# KiCad board FrontEnd_5G.kicad_pcb (continued)
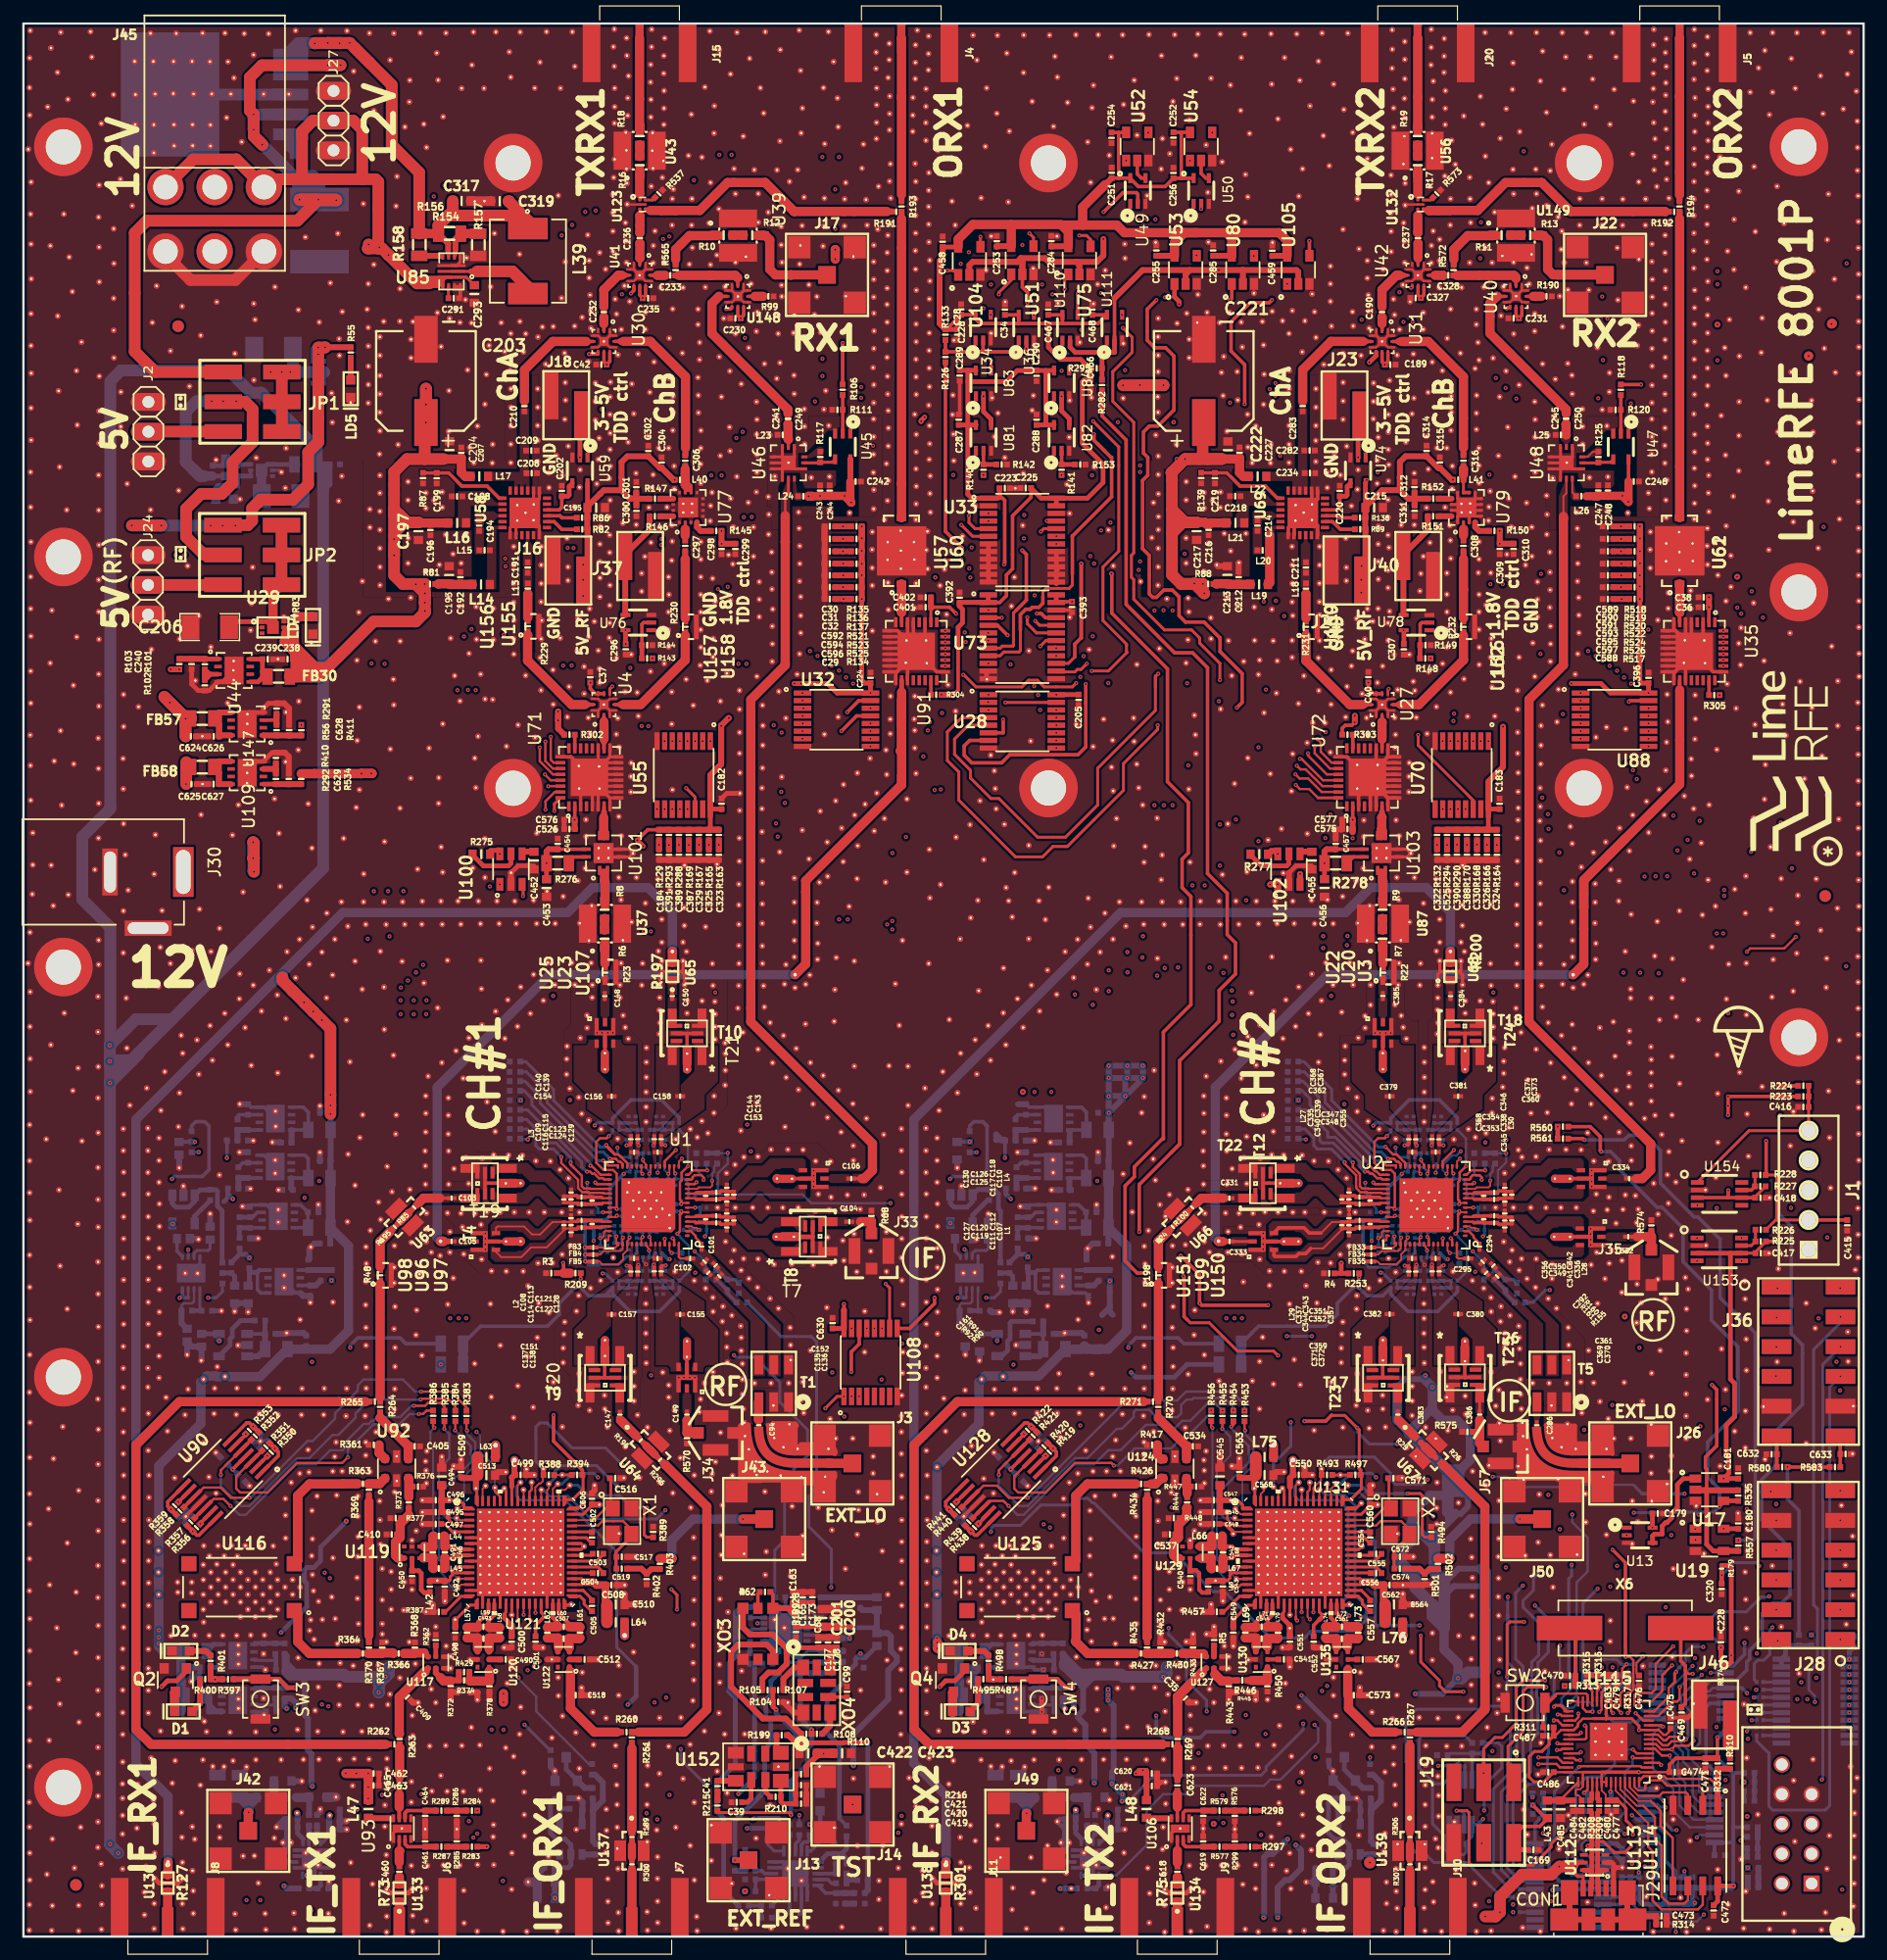
[diagram p0: board, top side]
## Routing (per net, layer and track width the routed paths; a pad name or vN(x,y) marks a point on that pad's centre or on a via; arc(x,y) is an arc through that point) (continued)
+5V_USB: length 42.6
  F.RO w1: JP1.3 18.94,130.98 19.57,130.34 19.57,127.52 17.86,125.81 17.86,124.04 16.94,123.12 15.17,123.12 13.89,121.84 13.89,119.45 15.44,117.91 JP2.3 ; JP1.3 17.07,131.02 v2(17.06,131.02) ; JP1.3 16.13,130.98 v2(16.08,131.02) ; JP1.3 18.13,130.98 v2(18.17,131.02)
  B2.RO w0.3: U15.5 U15.4
  B2.RO w0.4: R51.1 18.28,123.85 C87.1 ; C90.1 C88.1 C87.1 ; C87.1 U15.4
  B2.RO w0.5: 14.69,125.02 15.08,124.64 C90.1
  B2.RO w0.79: 14.69,125.02 14.53,125.18 15.08,124.64 C90.1
  B2.RO w1: 14.76,124.95 13.86,125.85 13.86,130.11 14.77,131.02 v2(16.08,131.02) v2(17.06,131.02) v2(18.17,131.02) ; 14.76,124.95 15.08,124.64 15.44,124.64 ; 14.76,124.95 14.53,125.18
+12V: length 260.1
  F.RO w0.25: C293.2 37.83,141.61 U85.1 33.64,141.61 33.39,141.36 ; 33.39,141.36 33.36,141.33 ; 33.39,141.36 35.25,141.36 U85.8
  F.RO w0.3: U85.1 36.05,141.61 35.81,141.37 U85.8
  F.RO w0.5: 35.66,141.41 35.33,141.08 33.61,141.08 ; 35.25,141.36 35.61,141.36 34.51,141.36
  F.RO w0.79: 34.12,141.08 35.33,141.08
  F.RO w1: 31.18,143.52 30.63,144.07 30.31,144.07 ; 31.18,143.52 v1(31.18,143.49) ; 31.18,143.52 33.61,141.08 34.67,141.08 ; 30.31,144.07 30.31,144.16 v1(30.4,144.16) ; 30.31,144.07 29.48,144.07 ; 30.31,144.07 30.31,149.74 30.08,149.98 28.93,149.98 ; 29.48,144.07 v1(29.48,144.41) ; 29.48,144.07 29.4,144.07 29.48,144.07 ; v1(31.18,143.49) 31.19,143.5 v1(31.18,143.49) ; 28.93,149.98 28.93,154.21 28.17,154.98 J27.2 24.72,154.98 23.79,154.05 23.79,149.98 ; 28.93,149.98 26.48,149.98 ; 18.17,151.67 14.5,151.67 J45.1 ; 18.17,151.67 J45.3 21.2,149.98 23.79,149.98 ; 18.17,151.67 19.86,149.98 26.48,149.98 ; 23.79,149.98 26.48,149.98 ; 19.62,93.39 v2(19.62,93.39) 19.68,93.33 19.68,92.03 ; 19.68,92.03 v2(19.62,92.03) ; 19.68,92.03 v2(19.62,92.03) ; 19.68,92.03 v2(19.62,92.03) ; 19.68,92.03 v2(19.68,90.87)
  F.FR4 w1: J30.1 17.08,90.85 17.78,91.55 ; J30.1 13.64,92.44 14.01,92.11 ; J30.1 17.32,90.85 ; J30.1 14.02,91.22 14.01,92.11 ; J30.1 15.31,92.51 16.3,92.51 ; J30.1 13.67,90.84 13.69,89.26 ; J30.1 15.19,89.31 ; 16.3,92.51 17.29,92.51 ; 16.3,92.51 15.34,92.51 ; v2(19.62,93.39) 18.74,92.51 17.29,92.51 ; v2(19.62,93.39) 19.62,92.1 ; v2(19.62,93.39) 17.78,91.55 ; 17.78,91.55 19.14,91.55 v2(19.62,92.03) ; 15.19,89.31 17.24,89.31 ; 15.19,89.31 15.19,92.37 15.34,92.51 ; 17.24,89.31 18.8,90.87 19.7,90.87 ; 17.24,89.31 17.36,89.31 ; 19.7,90.87 v2(19.68,90.87) ; 19.7,90.87 19.62,90.95 19.62,92.1 ; 17.29,92.51 17.29,90.85 17.32,90.82 ; 14.01,92.11 14.77,92.51 15.34,92.51 ; 14.01,92.11 13.53,92.11 13.66,91.98 13.69,89.26 ; 13.69,89.26 13.7,89.25 13.74,89.25 ; 13.69,89.26 14.45,89.31 17.36,89.31 ; 17.36,89.31 17.32,89.35 17.32,90.82 ; 19.62,92.1 18.37,90.85 17.32,90.85 ; 17.32,90.85 17.32,90.82
  B.FR4 w0.79: v1(31.18,143.49) 31.18,141.14 29.74,139.7 29.05,139.7 28.08,138.73 28.08,134.07 27.18,133.17 27.18,129.66 27.9,128.94 27.9,126.21
  B.FR4 w1: 23.91,130.92 23.91,130.2 28.56,125.55 28.56,122.65 27.11,121.2 27.11,97.99 19.97,90.85 19.65,90.85 19.65,93.43 v2(19.62,93.39) 25.14,98.91 25.14,105.34 23.26,107.22 23.26,110.82 24.84,112.4 24.84,125.92 23.91,126.85 23.91,130.92 ; 23.91,130.92 23.91,137.95 25.32,139.36 ; 25.32,139.36 25.36,139.36 ; 25.32,139.36 26.36,139.36 28.24,141.24 28.24,143.17 v1(29.48,144.41) 29.23,144.16 v1(30.4,144.16) 30.51,144.16 v1(31.18,143.49)
  B2.RO w1: v2(19.62,92.03) v2(19.62,93.39) 19.62,90.93 v2(19.68,90.87)
/Clocks/VDD_CKBUF_#1: length 5.8
  B2.RO w0.25: C174.2 67.66,28.05 66.97,28.74 65.77,28.74 65.56,28.53 U21.9
  B2.RO w0.5: C174.2 C175.1 C176.1 R116.1
/Clocks/VDDO_CKBUF_#1: length 12.7
  F.RO w0.3: v2(70.54,25.46) 70.52,25.48 70.5,25.48
  F.FR4 w0.3: v2(62.67,26.73) 63.67,25.73 65.84,25.73 66.11,25.46 v2(70.54,25.46)
  B2.RO w0.25: C166.2 67.82,25.73 U21.14
  B2.RO w0.3: U21.4 v2(62.67,26.73)
  B2.RO w0.5: v2(70.54,25.46) 70.53,25.47 C164.1 C168.1 C166.2
/LMS8001_RF/VDDTX_#1: length 62
  B.FR4 w0.2: 50.92,58.11 50.92,57.21 51.26,56.87 51.26,56.25
  B.FR4 w0.25: 52.04,68.59 52.04,66.78 ; 51.26,56.25 50.32,55.31 ; 51.17,58.37 50.92,58.11
  B.FR4 w0.3: 52.04,68.59 51.18,69.45 FB27.1 49,69.45 v2(48.78,69.23) ; 52.04,66.78 49.99,64.73 49.99,63.52 51.32,62.19 51.32,60.96 52.34,59.94 52.34,59.53 50.93,58.12 50.93,57.75 ; v2(47.16,55.42) 47.56,55.42 48.42,54.56 49.57,54.56 50.32,55.31
  B2.RO w0.3: FB26.1 56,69.89 54.48,71.4 51.88,71.4 50.31,69.84 FB27.1 49,69.45 v2(48.78,69.23) ; 51.29,53.85 50.31,54.83 FB28.1 49.64,54.68 49.01,54.68 ; 51.29,53.85 51.79,53.35 54.32,53.35 56,55.03 FB25.1 ; 51.29,53.85 50.46,54.68 49.01,54.68 ; 49.01,54.68 48.29,54.68 47.55,55.42 47.12,55.42 45.75,54.05 45.75,53.1 44.74,52.09 39.03,52.09 R93.1
  B2.RO w0.79: R98.1 R93.1
/LMS8001_RF/VDDTX_#2: length 58.3
  B.FR4 w0.2: 117.7,56.25 117.7,56.87 117.36,57.21
  B.FR4 w0.25: 117.7,56.25 116.81,55.36 116.8,55.36 ; 117.36,57.21 117.36,57.81 ; 118.48,66.78 118.48,68.59
  B.FR4 w0.3: 116.8,55.36 116.12,54.68 114.74,54.68 v2(114.05,55.37) ; 118.48,66.78 116.43,64.73 116.43,63.52 117.76,62.19 117.76,60.96 118.78,59.94 118.78,59.53 117.37,58.12 117.37,57.77 117.36,57.76 ; 118.48,68.59 117.62,69.45 115.51,69.45 v2(115.27,69.21)
  B2.RO w0.3: v2(115.27,69.21) 115.51,69.45 FB50.1 116.76,69.84 118.32,71.4 120.92,71.4 122.43,69.89 122.43,69.44 ; 120.02,53.35 118.23,53.35 116.76,54.83 FB51.1 116.08,54.68 114.74,54.68 v2(114.05,55.37) 114,55.42 113.56,55.42 112.19,54.05 112.19,53.1 111.18,52.09 105.47,52.09 104.92,51.54 ; 120.02,53.35 119.99,53.35 ; 120.02,53.35 120.76,53.35 122.45,55.03 FB48.1 ; 104.92,51.54 104.79,51.41 ; 104.92,51.54 104.92,51.54 R532.1
  B2.RO w0.79: R532.1 R533.1
/RP2040_MCU/VDD_CON_J1: length 21.9
  F.RO w0.25: R226.1 149.63,61.16 149.71,61.16 ; 149.71,61.16 149.71,64.97 149.74,65 R228.1 ; 149.71,61.16 J1.2
  F.RO w0.3: J1.2 155.72,61.16 C415.1 ; 148.81,67.91 v1(148.81,67.89) 148.81,65.05 R228.1 ; v1(149.8,72.61) R224.2
  B.FR4 w0.3: v1(149.8,72.61) 148.81,71.62 v1(148.81,67.89)
/RP2040_MCU/VDD_CON_J28: length 60.3
  F.RO w0.4: R174.2 145.63,23.24 145.83,23.44 v2(145.83,24) 145.83,31.56 145.72,31.68 R179.1 ; v2(147.18,10.25) 147.19,10.25
  F.FR4 w0.25: v2(128.86,11.89) 125.86,11.89 v2(124.73,10.76)
  F.FR4 w0.4: v2(147.18,10.25) 146.97,10.25 146.47,9.75 143.01,9.75 141.46,8.21 139.39,8.21 138.31,9.28 137,9.28 136.55,9.74 130.25,9.74 129.81,10.18 129.81,11.48 129.4,11.89 v2(128.86,11.89)
  B.FR4 w0.4: v2(145.83,24) 146.11,24 146.49,23.62 146.49,21.87 145.68,21.06 145.68,18.95 146.49,18.14 146.49,16.23 147.01,16.23 147.97,15.27 147.97,11.23 147.19,10.45 147.19,10.25 v2(147.18,10.25)
  B2.RO w0.25: v2(124.73,10.76) 124.73,12.89 126.24,14.4 126.24,16.22 125.94,16.52 R218.1
  B2.RO w0.4: R206.1 128.86,12.2 v2(128.86,11.89)
/RP2040_MCU/VDD_CON_J36: length 18.3
  F.RO w0.3: v2(150.63,40.07) R583.1
  B2.RO w0.3: v2(150.63,40.07) 150.63,37.33 151.61,36.35 151.61,25.76
GND: length 846.3
  F.RO w0.2: 117.99,147.75 117.98,147.75 118.05,147.82 U132.2 U132.5 ; 127.45,140 126.95,140.5 U40.3 ; 127.45,140 127.95,140.49 U40.1 ; 127.45,140 126.97,140.48 U40.4 ; 127.45,140 127.94,140.48 U40.12 ; 127.45,140 126.94,139.48 U40.6 ; 127.45,140 127.97,139.48 U40.10 ; 116.02,136.13 115.52,136.62 U31.4 ; 116.02,136.13 115.52,136.63 U31.3 ; 116.02,136.13 116.52,136.63 U31.1 ; 116.02,136.13 116.51,136.62 U31.12 ; 116.02,136.13 115.51,135.62 U31.6 ; 116.02,136.13 116.52,135.62 U31.10 ; 115.52,104.64 U27.13 ; 115.52,104.64 U27.13 ; 115.52,104.64 U27.12 ; 115.52,104.64 U27.1 ; U27.13 116.52,104.64 ; U27.13 116.52,104.64 ; U27.13 116.52,105.64 U27.6 ; U27.13 115.52,105.64 U27.10 ; 116.52,104.64 U27.4 ; 116.52,104.64 U27.3 ; 119.08,141.78 118.58,141.28 U42.6 ; 119.08,141.78 119.58,141.28 U42.10 ; 119.08,141.78 119.58,142.28 U42.12 ; 119.08,141.78 119.58,142.29 U42.1 ; 119.08,141.78 118.58,142.28 U42.4 ; 52.61,141.78 U41.13 52.13,141.28 U41.6 ; 52.61,141.78 52.11,142.28 U41.4 ; 52.61,141.78 52.13,142.26 U41.3 ; 52.61,141.78 53.13,142.29 U41.1 ; 52.61,141.78 53.12,142.28 U41.12 ; 52.61,141.78 53.11,141.28 U41.10 ; 61.01,139.97 60.52,139.48 U39.6 ; 61.01,139.97 60.5,140.48 ; 61.01,139.97 60.5,140.48 ; 61.01,139.97 61.5,140.46 U39.1 ; 61.01,139.97 61.52,140.48 U39.12 ; 61.01,139.97 61.5,139.48 U39.10 ; 60.5,140.48 U39.4 ; 60.5,140.48 U39.3 ; 50.52,136.63 50.08,136.63 49.58,136.15 50.08,136.65 50.08,137.06 ; 119.81,62.26 119.81,64.41 119.96,64.56 ; 49.56,136.13 50.07,135.63 U30.10 ; 49.56,136.13 49.07,136.63 U30.4 ; 49.56,136.13 49.06,135.63 U30.6 ; 51.56,147.84 51.58,147.82 U123.2 U123.5 ; U4.13 50.07,105.64 U4.6 ; U4.13 50.07,104.64 ; U4.13 50.07,104.64 ; U4.13 49.07,104.64 ; U4.13 49.07,104.64 ; U4.13 49.07,105.64 U4.10 ; 50.07,104.64 U4.3 ; 50.07,104.64 U4.4 ; 49.07,104.64 U4.1 ; 49.07,104.64 U4.12 ; C475.2 140.64,18.68 C469.2 ; C340.2 C343.1
  F.RO w0.25: 39.02,33.93 38.91,34.04 U121.6 ; 39.79,33.93 39.4,33.54 U121.7 ; 39.8,32.41 39.43,32.04 U121.10 ; 40.56,29.36 40.71,29.21 U121.21 ; 44.35,30.12 44.71,29.76 U121.29 ; 105.47,33.93 105.36,34.04 U131.6 ; 106.24,33.93 105.85,33.54 U131.7 ; 106.24,31.65 105.85,32.04 U131.10 ; 106.23,30.12 105.65,29.54 U131.15 ; 105.47,29.36 105.65,29.18 U131.18 ; 107,29.36 107.15,29.21 U131.21 ; 110.79,30.12 111.15,29.76 U131.29 ; 131.79,125.78 131.25,126.31 131.25,127.12 ; 131.79,125.78 132.27,126.28 132.27,127.12 ; 131.79,125.78 131.3,126.28 130.41,126.28 ; 131.79,125.78 131.76,125.77 130.41,125.77 ; 131.79,125.78 131.25,125.25 ; 131.79,125.78 132.31,125.25 133.12,125.25 ; 131.79,125.78 131.25,125.25 ; 131.25,125.25 130.41,125.25 ; 131.25,125.25 131.25,124.41 ; 123.96,122.72 U79.17 ; 123.96,122.72 U79.17 ; 123.96,122.72 U79.8 ; 123.96,122.72 U79.9 ; U79.17 122.46,122.72 U79.12 ; 122.8,122.28 122.73,122.22 121.95,122.22 ; 123.55,121.55 123.73,121.72 U79.6 ; 123.55,121.55 123.89,121.22 U79.5 ; 123.55,121.55 123.46,121.46 123.46,120.7 ; 123.54,122.3 123.61,122.22 U79.7 ; 65.33,125.78 64.84,126.28 63.97,126.28 ; 65.33,125.78 U46.13 ; 65.33,125.78 U46.13 ; 65.33,125.78 65.86,125.26 U46.10 ; 65.33,125.78 64.81,125.26 ; 65.33,125.78 64.81,126.31 U46.3 ; 65.33,125.78 65.83,126.28 U46.1 ; U46.13 64.81,125.26 ; U46.13 63.97,125.77 ; 64.81,125.26 63.97,125.26 ; 64.81,125.26 U46.7 ; 51.03,92.14 51.72,92.14 52.05,92.46 51.7,92.8 51.03,92.8 ; 43.56,120.88 44.06,120.38 U58.6 ; C327.1 118.41,139.82 118.41,139.52 ; 32.31,9.23 31.98,9.23 31.59,8.84 U93.1 ; U71.33 47.58,98.18 U71.3 ; U71.33 48.58,98.68 ; U71.33 49.08,98.18 ; U71.33 50.08,97.18 ; U71.33 50.08,97.18 ; U71.33 49.58,97.68 U71.10 ; U71.33 49.08,98.18 ; U71.33 48.58,98.68 ; U71.33 48.58,99.18 U71.13 ; U71.33 49.08,99.68 ; U71.33 49.58,100.18 U71.15 ; U71.33 50.08,100.68 ; U71.33 49.08,99.68 ; U71.33 50.08,100.68 ; 48.58,98.68 U71.5 ; 48.58,98.68 U71.12 ; 49.08,98.18 U71.11 ; 49.08,98.18 U71.6 ; 50.08,97.18 U71.9 ; 50.08,97.18 U71.8 ; 49.08,99.68 U71.14 ; 49.08,99.68 U71.19 ; 50.08,100.68 U71.17 ; 50.08,100.68 U71.16 ; 56.18,82.37 56.32,82.51 56.32,83.26 ; 56.18,82.37 56.45,82.1 56.45,81.22 ; 56.18,82.37 U65.2 U65.4 54.6,82.37 ; 54.6,82.37 54.51,82.46 54.51,83.27 ; 54.6,82.37 54.35,82.12 54.35,81.18 ; 122.61,82.37 122.61,82.36 122.88,82.09 122.88,81.46 ; 122.61,82.37 122.75,82.51 122.75,83.25 ; 122.61,82.37 122.89,82.09 122.89,81.22 ; 122.61,82.37 U68.2 U68.4 121.03,82.37 ; 121.03,82.37 120.94,82.46 120.94,83.27 ; 121.03,82.37 120.78,82.12 120.78,81.19 ; U85.3 37,142.61 37.31,142.92 U85.4 ; 128.05,42.71 127.64,42.3 J57.3 ; U58.14 43.56,122.24 43.58,122.22 44.06,122.7 U58.13 ; C455.2 109.73,91.37 ; 121.95,121.72 122.64,121.72 122.82,121.53 122.46,121.19 122.46,120.7 ; 117.45,92.8 118.13,92.8 118.48,92.45 118.17,92.14 117.45,92.14 ; U58.2 42.06,120.73 42.17,120.84 41.56,120.23 U58.1 ; 107.63,64.28 107.59,64.32 ; U121.15 38.85,29.54 39.21,29.18 U121.18
  F.RO w0.3: U131.32 112.77,28.29 113.16,28.29 113.22,28.35 ; 110.02,120.9 110.52,120.41 110.52,119.61 ; 141.92,108.94 142.67,109.69 ; 142.67,109.69 142.42,109.44 140.19,109.44 ; 142.67,109.69 142.42,109.94 ; 142.67,109.69 141.92,110.44 140.19,110.44 ; 142.67,109.69 142.42,109.94 ; 140.92,107.83 141.79,108.7 ; 141.79,108.7 141.03,107.94 140.19,107.94 ; 141.79,108.7 141.53,108.44 140.19,108.44 ; 141.79,108.7 141.55,108.94 140.19,108.94 ; 142.42,109.94 140.19,109.94 ; 143.53,108.7 144.29,107.94 145.14,107.94 ; 141.79,110.72 141.57,110.94 140.19,110.94 ; 141.79,110.72 140.92,111.59 ; 141.79,110.72 141.92,110.85 ; 141.8,110.72 141.08,111.44 U35.9 ; 143.42,110.83 143.53,110.72 ; 80.31,35.86 80.31,35.89 U128.11 ; 13.87,35.85 13.87,35.89 U90.11 ; U91.33 75.49,110.44 U91.11 ; U91.33 75.99,109.94 ; U91.33 75.99,109.44 U91.13 ; U91.33 75.49,108.94 U91.14 ; U91.33 75.99,109.94 ; U91.33 77.99,107.94 U91.25 ; U91.33 76.99,110.44 U91.3 ; 75.99,109.94 U91.5 ; 75.99,109.94 U91.12 ; 75.35,108.71 75.08,108.44 U91.15 ; 75.35,108.71 74.58,107.94 U91.16 ; 75.35,108.71 74.49,107.85 U91.17 ; 75.35,108.71 75.49,108.57 U91.19 ; 75.39,110.7 75.15,110.94 U91.10 ; 75.39,110.7 74.65,111.44 U91.9 ; 75.39,110.7 75.49,110.8 U91.6 ; 51.03,92.14 49.88,92.14 49.55,92.47 49.88,92.8 51.03,92.8 ; U121.32 46.33,28.29 46.71,28.29 46.77,28.35 ; C296.1 51.44,109.42 51.9,109.42 ; 98.78,9.22 98.4,9.22 98.03,8.85 U106.1 ; 41.17,64.3 39.41,64.3 ; 39.41,64.3 T19.2 ; 39.41,64.3 T19.5 ; 65.65,64.69 T3.5 ; T7.5 T7.2 ; T20.2 49.63,47.69 ; 56.71,77.08 T21.5 ; 56.71,77.08 56.67,77.04 56.67,75.35 56.71,75.39 ; 56.71,77.08 T21.2 ; 49.63,47.69 49.63,49.56 T9.2 49.7,49.52 ; 49.63,47.69 T20.5 ; T6.5 49.66,75.4 49.65,75.39 ; T15.5 116.08,76.48 116.08,75.39 ; 123.11,47.73 123.11,47.7 123.11,47.7 123.08,47.73 T26.2 ; 123.11,47.73 T25.2 ; 123.11,47.73 T25.5 ; T23.2 T23.5 ; 133.89,64.67 T14.5 ; 123.1,76.75 123.1,76.75 ; 123.1,76.75 123.1,77.06 123.12,77.08 ; 123.1,76.75 T18.2 ; 123.12,77.08 T24.5 ; 123.12,77.08 T24.2 ; U72.33 113.01,100.68 U72.25 ; U72.33 116.51,100.68 ; U72.33 116.51,100.68 ; U72.33 116.01,100.18 U72.15 ; U72.33 115.51,99.68 ; U72.33 115.01,99.18 U72.13 ; U72.33 115.01,98.68 ; U72.33 115.51,98.18 ; U72.33 116.01,97.68 U72.10 ; U72.33 116.51,97.18 ; U72.33 116.51,97.18 ; U72.33 115.51,98.18 ; U72.33 115.01,98.68 ; U72.33 114.01,98.18 U72.3 ; U72.33 115.51,99.68 ; 115.51,99.68 U72.19 ; 115.51,99.68 U72.14 ; 116.51,100.68 U72.16 ; 116.51,100.68 U72.17 ; 115.01,98.68 U72.12 ; 115.01,98.68 U72.5 ; 115.51,98.18 U72.11 ; 115.51,98.18 U72.6 ; 116.51,97.18 U72.8 ; 116.51,97.18 U72.9 ; 133.27,64.69 132.08,64.69 132.06,64.67 ; 105.84,64.3 T22.2 ; 105.84,64.3 107.61,64.3 107.63,64.28 ; 105.84,64.3 T22.5 ; 116.07,49.57 116.07,47.72 116.1,47.69 116.1,47.69 116.1,47.72 ; 116.1,47.72 115.18,47.72 ; 116.1,47.72 116.98,47.72 ; C469.2 140.81,18.68 140.8,18.68 ; C291.2 37.31,139.93 U85.11 U85.10 ; 47.45,99.99 46.76,100.68 U71.25 ; C289.1 79.95,129.98 C287.1 ; U73.22 89.36,113.21 C393.2 ; C619.2 C622.1 ; 107.64,59.32 106.51,59.32 ; R576.2 R299.2 ; 117.46,92.14 116.3,92.14 115.98,92.47 116.3,92.8 117.46,92.8 ; U35.19 141.93,108.94 ; 41.21,59.32 T2.5 ; U35.6 141.93,110.85 ; 108.52,119.61 108.52,120.74 108.61,120.84 108.02,120.24 108.02,119.61 ; U35.5 142.43,109.94 ; 110.02,123.41 110.02,122.24 110.04,122.22 110.52,122.7 110.52,123.41 ; 130.71,59.72 T16.5 ; 56.65,49.47 T11.5 ; 49.57,98.96 49.57,99.5 ; U35.17 140.93,107.83 ; 127.9,43.07 127.72,42.89 ; U35.3 143.43,110.83 ; U35.8 140.93,111.59
  F.RO w0.35: 104.6,23.62 104.63,23.65 U130.5 ; U135.5 111.17,23.65
  F.RO w0.4: U120.5 38.17,23.65 38.14,23.62 ; 36.48,23.9 36.47,23.88 U117.4 ; 36.48,22.89 36.48,22.89 U117.3 ; 102.93,23.89 102.92,23.9 U127.4 ; 102.93,22.89 102.92,22.91 U127.3 ; v2(86.95,19.17) v2(86.95,20.32) ; 41.64,90.79 42.23,91.38 43.59,91.38 ; 42.96,39.89 42.9,39.83 C499.1 ; 64.53,39.24 64.56,39.24 64.66,39.34 ; 63.58,43.64 63.94,43.64 64.01,43.71 64.08,43.64 ; 97.51,13.18 97.13,13.18 C621.1 ; 67.4,59.71 65.8,59.71 65.79,59.72 ; 135.63,39.55 135.38,38.89 132.36,38.89 132.15,39.1 127.72,39.1 127.72,42.89 127.89,43.06 127.89,43.08 127.9,43.07 127.75,43.22 127.75,43.61 ; 135.63,39.55 135.62,38.91 134.75,38.01 134.26,38.01 ; 135.63,39.55 135.66,39.58 ; 135.67,41.22 135.66,41.23 135.6,42.07 132.46,42.07 132.46,43.58 130.86,43.58 130.55,43.27 130.55,42.9 130.55,43.63 ; 127.75,43.61 127.72,43.64 ; 127.75,43.61 128.33,43.61 128.39,43.67 ; 130.55,43.63 130.57,43.65 ; 130.55,43.63 130.01,43.63 ; C455.2 109.99,91.11 109.99,91.38 108.66,91.38 108.07,90.79 ; C388.1 C390.1 ; 61.17,97.56 60.06,97.56 C182.2 ; 99.68,4.08 99.32,3.72 U134.2 U134.4 97.76,3.72 97.46,4.02 ; 79.98,4.91 79.64,4.57 U138.4 U138.2 78.01,4.57 77.62,4.96 ; 13.52,4.91 13.18,4.57 U136.4 U136.2 11.59,4.57 11.19,4.97 ; 33.18,4.03 32.87,3.72 U133.2 U133.4 31.32,3.72 31.02,4.02 ; 135.78,5.67 135.78,6.17 135.63,6.32 U112.2 ; 135.78,5.67 136,5.89 136.52,5.89 ; 135.78,5.67 CON1.5 ; 143.18,20.81 J46.2 142.12,18.68 C469.2 ; U44.9 17.99,108.02 17.05,107.08 U44.4 15.87,106.34 R102.1 14.92,106.34 14.36,106.89 C240.2 ; 19.13,104.33 19.26,104.46 U147.4 20.48,104.81 20.92,105.25 R291.2 ; 19.25,100.27 19.12,100.14 ; R410.2 21.22,101.03 U109.4 19.28,100.3 ; C526.2 46.17,94.53 C576.2 ; C475.2 140.81,18.68 ; U73.11 82.24,107.86 82.24,107.48 ; 88.3,116.66 88.2,116.76 U33.16 U33.17 ; U33.13 88.2,115.48 U33.14 U33.15 ; C420.1 C421.1 ; C322.1 120.72,91.87 ; U33.12 U33.11 U33.10 U33.9 U33.8 U33.7 ; 41.17,64.3 41.19,64.28 41.2,64.29 ; 65.63,64.67 65.65,64.69 ; C462.1 C463.1
  F.RO w0.5: 114.11,21.24 114.11,20.66 C573.1 ; 47.66,21.23 47.66,20.65 C518.1 48.3,20.6 ; C563.1 103.25,40.1 103.19,40.16 ; 42.96,39.46 C499.1 ; 117.8,30 119.59,30 R501.1 119.66,30.05 120.21,30.05 ; R286.2 37.01,9.84 37.01,9.17 37,9.16 R285.2 ; C464.1 34.31,9.84 34.31,9.17 34.3,9.16 C461.2 ; C409.1 33.27,19.96 33.69,19.96 ; 41.63,90.1 41.63,90.78 41.64,90.79 ; C213.1 102.01,116.96 101.9,117.06 ; C212.1 103.77,117.22 103.8,117.25 ; 102.43,28.64 102.42,28.65 C543.2 102.42,28.72 ; 97.1,25.12 R432.1 ; R432.1 97.41,25.11 97.44,25.14 ; R432.1 97.12,25.14 ; R432.1 97.09,25.81 ; R433.1 99.83,25.17 99.29,25.17 ; 35.73,40.94 35.72,40.93 C494.1 ; C506.1 48.53,37.83 48.77,38.07 48.77,38.51 ; 35.99,28.63 36,28.6 35.97,28.63 C492.2 ; 65.87,43.7 65.44,43.7 65.41,43.73 64.03,43.73 64.01,43.71 ; 65.87,43.7 65.97,43.6 ; 65.87,43.7 65.87,41.86 66.11,41.62 66.43,41.94 69.06,41.94 69.26,41.39 69.26,41.26 ; 65.86,38.94 65.81,38.94 65.76,38.99 62.94,38.99 62.91,38.96 61.53,38.96 61.28,39.21 61.28,43.57 ; 65.86,38.94 66.1,38.94 66.27,38.77 66.27,38.76 69.07,38.76 69.23,39.28 69.23,39.52 ; 65.86,38.94 65.86,38.61 65.9,38.57 ; 61.28,43.57 61.33,43.62 ; 61.28,43.57 61.8,43.57 ; 61.8,43.57 61.86,43.63 61.8,43.57 ; 49.57,99.77 49.57,99.5 ; 108.07,90.79 108.07,89.81 U102.2 ; C307.1 118.34,109.41 118.34,109.41 ; C296.1 51.89,109.41 51.9,109.42 ; C322.1 121.55,91.88 C525.1 121.57,91.88 125.81,91.88 C324.1 124.98,91.87 C326.1 C330.1 C388.1 ; 122.95,91.88 122.95,91.48 122.89,91.42 ; XO4.4 65.79,19.12 64.89,20.01 R104.1 ; C178.1 68.71,25.56 C177.1 67.86,25.55 C68.2 ; R291.2 22.27,105.25 22.69,104.83 C628.2 ; R410.2 22.33,101.03 22.66,100.7 C629.2 ; 37.37,40.7 C509.1 36.8,40.1 36.74,40.16 ; C323.1 58.53,91.87 58.52,91.88 C329.1 C387.1 C389.1 55.12,91.88 55.34,91.88 C184.1 ; C31.1 C30.1 C31.1 ; C31.1 C32.1 C592.1 C594.1 C596.1 C29.1 ; 14.75,102.43 C626.2 ; C625.2 C627.2 ; C577.2 112.61,95.3 C575.2 112.57,94.48 111.88,94.48 112.05,94.31 C457.1 ; C163.2 C165.1 67.36,29.4 C173.1 ; C419.2 C420.1 ; R314.2 C473.2 ; C620.1 C621.1 ; U122.5 44.72,23.65 ; C483.1 C479.1 ; C484.1 C482.2 ; 99.63,33.28 99.63,33.81 ; 115.2,38.5 115,38.5 115.21,38.51 115.2,38.5
  F.RO w0.51: C513.1 40.54,39.64 41.19,39.64 ; 43.61,39.39 43.6,39.4 C499.1 ; 52.23,28.35 52.22,28.34 C510.1 51.34,28.35 51.34,29.24 ; C492.2 35.98,29.41 35.98,28.73 ; 41.11,24.72 41.05,24.66 41.63,24.66 C500.2 ; 44.36,24.66 43.79,24.66 C501.2 ; 41.69,23.01 41.69,23.59 C490.2 ; C497.2 34.08,35.21 34.07,35.2 ; C571.2 117.69,39.12 117.72,39.15 ; C568.1 106.99,39.65 107.64,39.65 ; C563.1 103.83,40.79 103.82,40.8 ; C547.1 101.2,37.23 100.52,37.23 ; C548.2 101.2,35.2 100.52,35.2 ; C551.2 108.08,24.66 107.51,24.66 ; C552.2 110.23,24.66 110.81,24.66 ; 108.14,23.01 108.14,23.59 C541.2 ; 105.22,20.21 105.23,20.22 105.23,20.85 104.58,20.85 ; 103.57,20.85 102.99,20.85 R443.1 102.93,20.22 ; 101.41,28.35 101.41,27.76 R457.1 100.77,27.71 ; 101.02,25.81 101.61,25.81 R5.1 101.67,26.44 ; 110.05,39.39 110.04,39.4 C550.1 109.41,39.46 109.41,40.03 ; 37.12,20.85 36.55,20.85 R372.1 36.48,20.22 ; 39.79,20.22 R378.1 ; 52.24,32.41 C517.2 ; 99.88,25.81 R433.1 99.83,25.17 ; 34.96,28.35 34.96,27.77 R387.1 34.32,27.71 ; 115,38.5 C560.1 ; 38.13,20.85 38.14,20.84 38.78,20.84 38.77,20.84 38.77,20.21 ; 103.31,24.79 C549.2 ; 118.68,28.35 118.67,28.34 C564.1 117.78,29.23 117.79,29.24 ; C567.1 115.51,23.65 ; 34.07,37.24 C496.1 ; C573.1 114.75,20.6 ; C572.2 118.68,32.41 ; 100.52,36.22 C546.2 ; 51.34,30 C508.1 ; 102.17,41.17 C545.1 ; 34.07,36.22 C495.2 ; C512.1 49.06,23.65 ; 99.45,19.97 100.14,19.97 ; C562.1 117.8,30
  F.RO w0.7: 41.2,64.29 42.46,64.29 ; T9.2 49.65,50.89 49.66,50.9 ; 42.44,59.32 41.21,59.32 ; 64.37,64.67 65.63,64.67 ; 56.66,50.81 56.66,49.48 56.65,49.47 ; 56.67,75.35 56.67,74.01 56.66,74 ; 49.65,75.39 49.65,74.02 49.66,74.01 ; 116.09,74.02 116.08,74.03 116.08,75.39 ; T17.2 116.09,49.59 116.09,50.9 ; T26.2 123.09,49.59 123.09,50.81 ; 130.77,64.68 130.78,64.67 132.06,64.67 ; T18.2 123.09,75.18 123.09,74.01 ; 107.63,64.28 107.64,64.29 108.9,64.29 ; 130.71,59.72 132.08,59.72 ; 64.28,59.72 65.79,59.72 ; C201.2 C200.2 ; 108.87,59.32 107.64,59.32
  F.RO w0.79: C319.1 39.91,148.12 C317.1 ; 64.35,64.69 64.37,64.67 ; 42.45,59.33 42.44,59.32
  F.RO w1: J45.6 18.1,141.37 14.26,141.37 12.13,143.5 J45.4
  F.FR4 w0.4: v2(87.1,22.77) 86.95,22.92 v2(86.95,24.13) ; v2(86.95,20.32) v2(86.95,19.17)
  F.FR4 w0.5: 152.69,12.15 150.15,12.15
  F.FR4 w0.79: v2(155.14,35.52) v2(149.68,35.52)
  B.FR4 w0.2: v2(137,22.32) 137,22.32
  B2.RO w0.2: 93.45,9.84 C566.1 ; v2(53.16,57.37) 53.16,57.38 52.89,57.66 52.89,57.96 ; v2(119.64,57.31) 119.64,57.45 119.33,57.77 C277.2
  B2.RO w0.25: U144.PAD 81.51,57.37 U144.4 ; U141.9 88.2,61.61 87.36,62.45 U141.4 ; U142.9 87.96,69.96 87.14,70.78 U142.4 ; U140.9 87.94,65.92 87.17,66.69 U140.4 ; U143.9 88.7,55.87 89.64,54.93 U143.4 ; U10.PAD 15.07,57.37 U10.4 ; R496.2 92.34,11.89 92.73,11.89 ; U21.12 67.49,26.73 67.85,26.37 C166.1 ; U15.2 21.87,125.14 22.03,124.98 ; C46.2 147.25,5.02
  B2.RO w0.3: C582.1 88.85,8.25 88.95,8.35 ; 88.85,7.57 89.29,8.01 ; 90.56,6.1 90.33,5.87 IC2.13 ; 91.61,6.1 91.84,5.87 IC2.8 ; 91.61,6.1 91.88,6.37 IC2.7 ; 91.61,6.1 91.33,5.82 IC2.10 ; U142.4 85.86,70.78 R259.2 ; R242.2 85.94,62.45 U141.4 ; R567.2 90.67,54.93 U143.4 ; R442.2 80.31,35.86 ; 80.31,35.86 80.31,35.27 C538.1 ; 80.31,35.86 80.31,35.86 R437.2 ; 80.31,35.86 80.26,35.82 C539.1 ; 84.8,23.27 85.08,23 U26.4 86.35,22.77 v2(87.1,22.77) ; 84.8,19.47 85.08,19.2 U89.4 ; 20.23,42.27 20.23,41.69 R349.2 ; 20.23,42.27 20.25,42.29 C400.1 ; 20.23,42.27 20.21,42.25 R354.2 ; 20.23,42.27 20.26,42.3 C399.1 ; 24.1,6.1 23.87,5.87 IC1.13 ; IC1.10 24.88,6.37 IC1.7 ; IC1.10 24.88,6.87 IC1.6 ; IC1.10 25.38,7.37 IC1.5 ; IC1.10 24.38,6.87 IC1.15 ; 24.11,7.15 23.89,7.37 IC1.16 ; 22.41,7.58 22.85,8.02 ; 22.51,8.36 22.41,8.26 C524.1 ; R44.2 20.44,23 U94.4 ; U6.4 20.52,66.69 U6.9 ; U5.9 20.54,70.79 U5.4 19.42,70.79 R34.2 ; U7.9 20.78,62.45 U7.4 19.5,62.45 R32.2 ; 18.72,62.29 18.7,62.31 ; U8.9 23.24,54.92 U8.4 ; 20.55,18.91 20.54,18.9 19.98,18.9 U95.4 20.69,19.2 ; 64.06,25.23 U21.21 ; 64.06,25.23 U21.21 ; 64.06,25.23 U21.1 ; 64.06,25.23 U21.20 64.06,23.38 R123.2 ; U21.21 64.56,25.73 U21.2 ; U21.21 65.56,26.73 U21.12 ; U21.21 66.06,27.23 U21.11 ; U21.21 64.56,26.73 U21.7 ; U21.21 64.06,27.23 U21.6 ; 66.42,5.88 66.92,5.38 ; 70.38,5.37 70.39,5.38 ; 66.43,2.05 66.45,2.03 ; 66.43,3.45 66.43,2.11 C80.2 ; U18.21 65.93,5.37 U18.3 ; U18.21 66.43,4.87 U18.2 ; U18.21 66.93,4.37 U18.1 ; U18.21 65.42,5.88 U18.9 ; U18.21 64.92,6.38 U18.10 ; 136.5,5.91 136.52,5.89 ; IC1.8 25.39,5.87 25.16,6.1 24.88,5.82 IC1.10 ; IC2.6 91.88,6.87 91.61,7.14 91.84,7.37 IC2.5 ; IC2.16 90.33,7.37 90.56,7.14 90.29,6.87 IC2.15 ; C604.2 C605.2
  B2.RO w0.4: C530.1 110.26,4.71 110.26,5.88 C533.1 110.32,5.29 C530.1 ; C530.1 109.53,4.65 ; C530.1 C528.1 ; R431.2 113.85,11.8 114.15,11.5 U126.5 ; 82.61,14.52 82.61,14.17 R458.2 83.57,14.33 83.57,14.5 ; 85.49,14.48 85.49,14.32 R472.2 ; 94.04,9.14 C570.1 C566.1 ; Q3.2 111.82,13.33 111.82,14.13 111.46,14.49 R451.2 ; U89.4 87.08,19.2 87.1,19.17 v2(86.95,19.17) ; 90.95,54.09 90.92,54.12 R567.2 ; C608.2 84.54,53.99 ; 85.63,53.97 C611.2 ; C188.2 81.4,18.93 81.08,18.61 80.8,18.89 C186.2 ; C527.1 83.25,40.92 82.87,41.3 ; v2(86.95,24.13) C395.2 ; 13.87,35.85 13.83,35.81 C403.1 ; 13.87,35.85 13.87,35.85 R360.2 ; 13.87,35.85 13.84,35.82 C404.1 ; 13.87,35.85 14.44,35.85 R355.2 ; 67.23,50.04 67.21,50.02 ; 18.5,13.77 19.05,14.32 19.05,14.48 ; 17.13,14.5 17.13,14.33 R390.2 16.17,14.17 16.17,14.52 ; 20.69,19.2 R28.2 20.52,19.17 ; 19.08,50.49 19.09,50.48 ; 16.91,53.4 16.9,53.41 R41.2 ; C43.2 14.33,22.94 14.33,21.77 14.36,21.77 15.06,22.47 C45.2 ; 14.99,19.19 C412.2 14.96,18.85 15.45,18.36 ; C69.2 70.36,4.82 70.29,4.89 ; 17.52,125.54 17.27,125.79 C88.2 17.27,125.9 16.91,125.54 ; 17.52,125.54 16.91,125.54 ; 17.52,125.54 C87.2 18.38,125.64 U15.6 ; 16.91,125.54 C90.2 ; C50.2 147.18,6.82 C49.2 ; 136.52,5.89 C229.2 136.41,6.56 135.69,7.28 134.87,7.28 ; U24.10 U24.11 U24.12 ; 15.18,49.15 15.21,49.18 ; C529.1 85.74,38.46 ; U163.4 U163.3 ; C167.2 C97.2 ; R459.1 93.45,9.84 ; 80.8,22.71 C185.2 C187.2 81.5,22.69 81.16,22.35 80.8,22.71 ; 88.48,10.02 C565.2 C569.2 88.78,9.32 88.28,9.82 88.48,10.02 ; 92.59,4.24 R500.1 92.62,4.24 92.59,4.24